# KiCad board Lime_RFE_fab.kicad_pcb (continued)
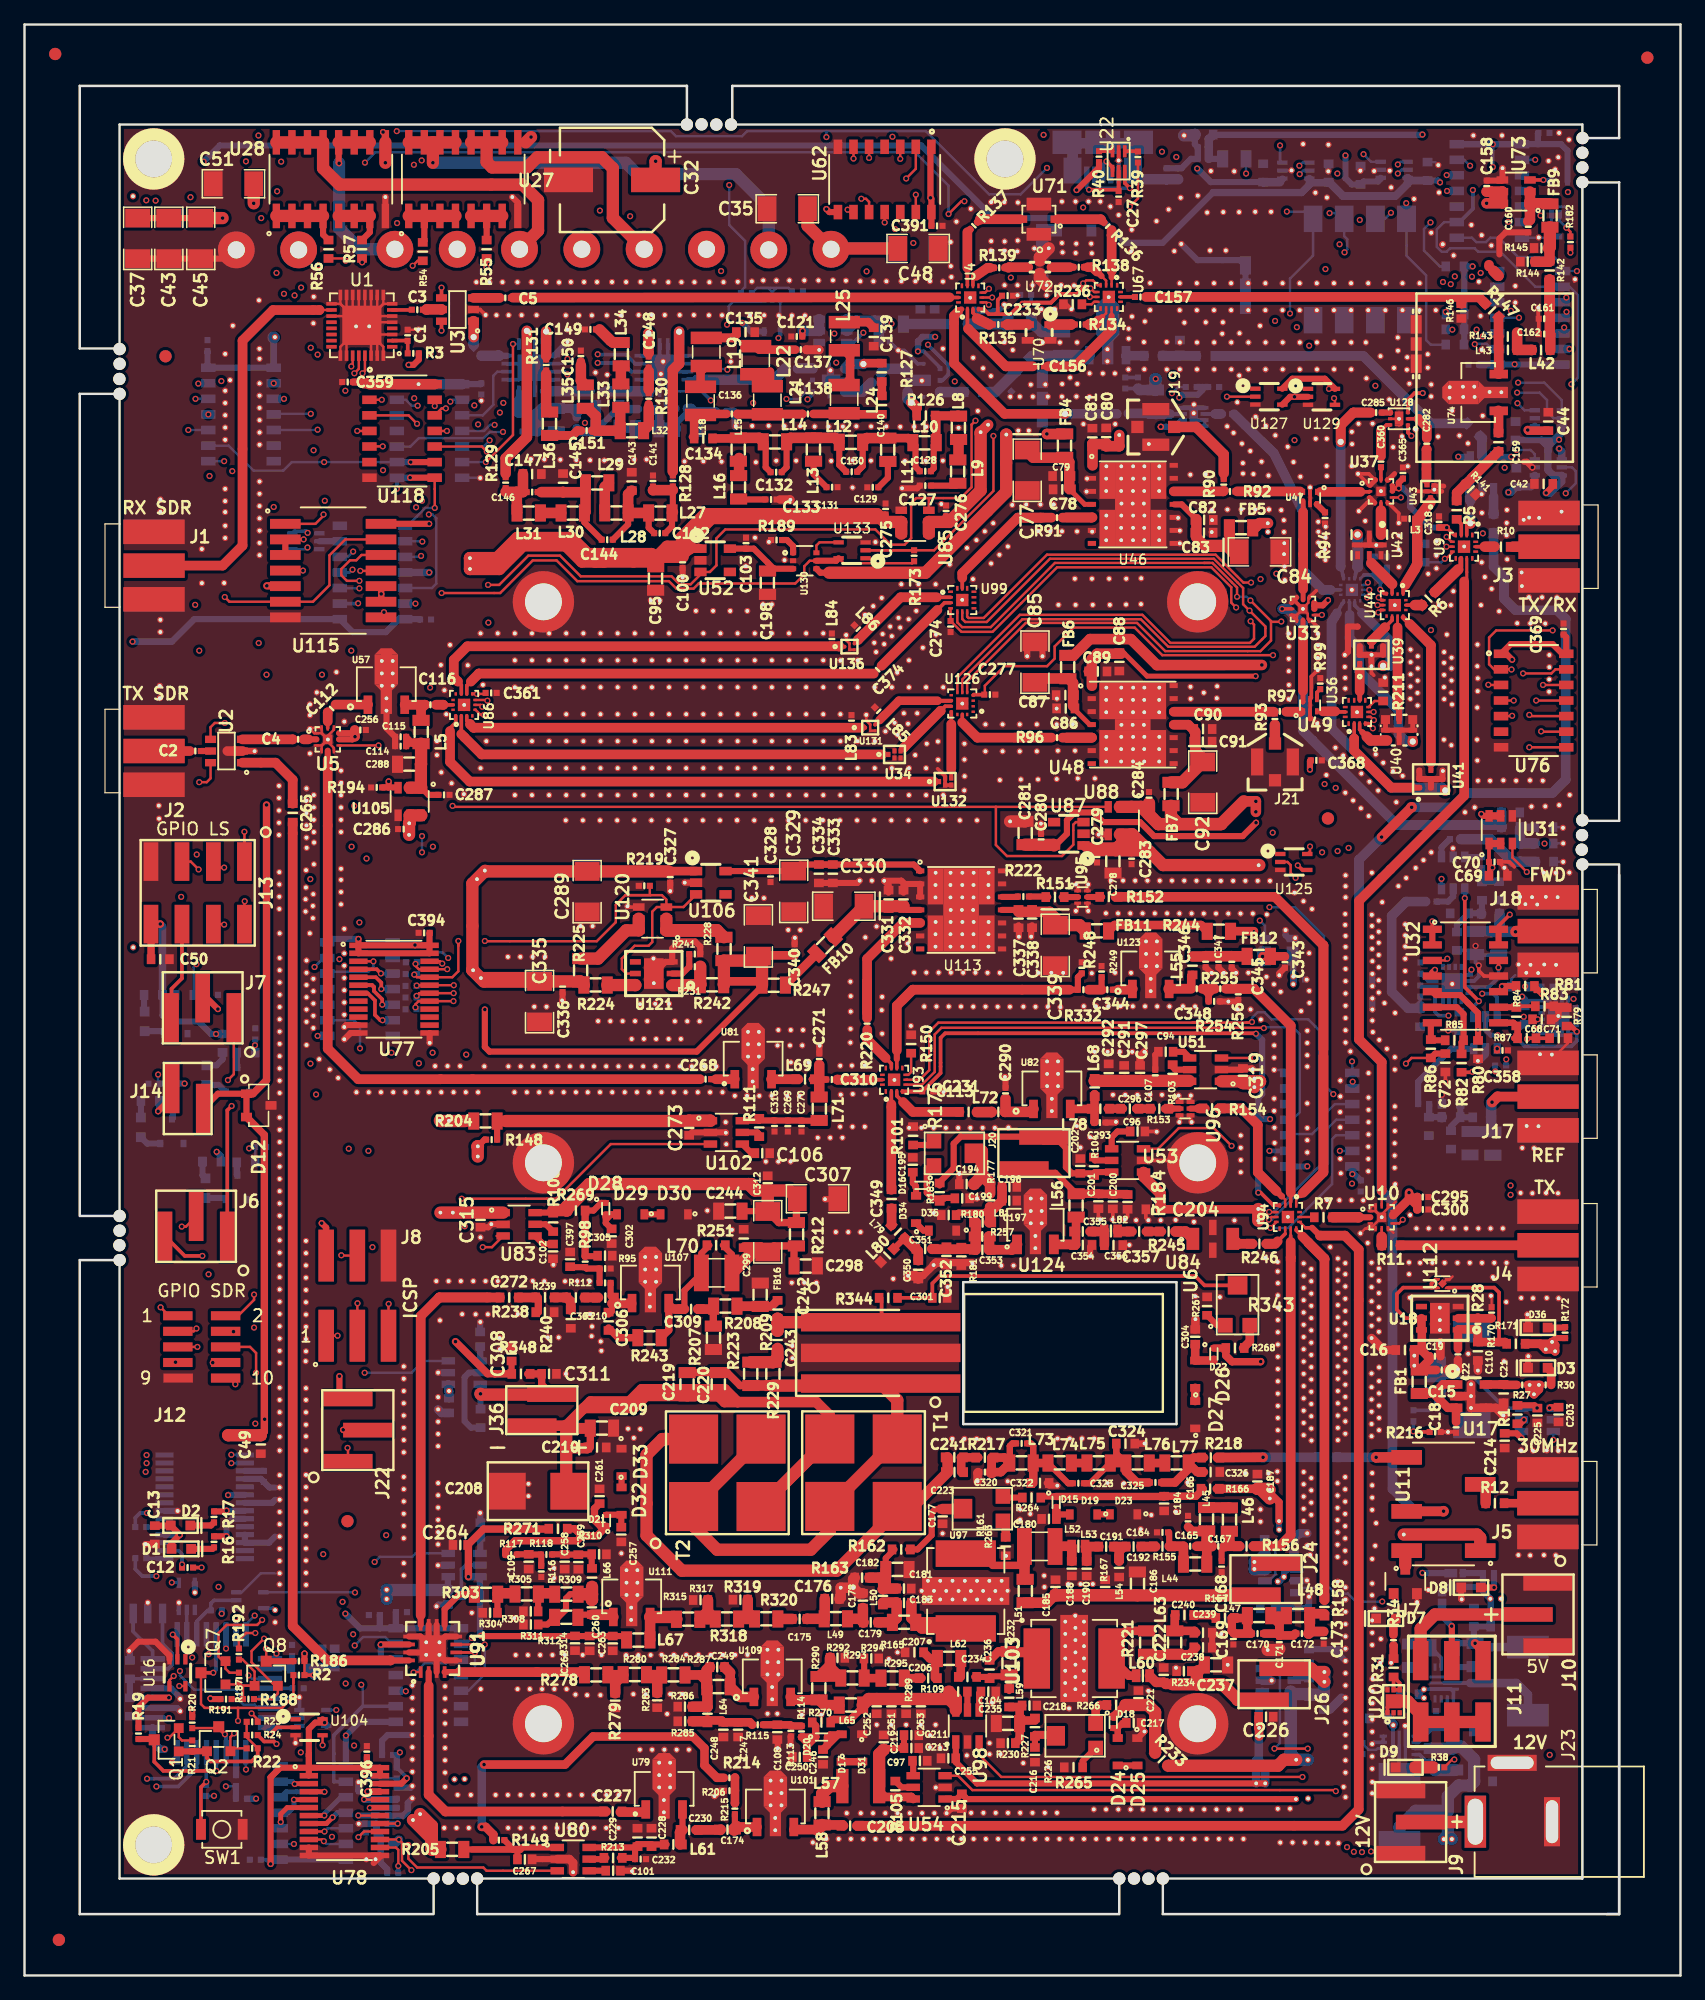
[diagram p0: board, top side]
## Routing (per net, layer and track width the routed paths; a pad name or vN(x,y) marks a point on that pad's centre or on a via; arc(x,y) is an arc through that point) (continued)
Net-(Q7-PadG): length 9
  T w0.2: R187.2 17.65,23.61 Q8.G ; R187.2 17.42,23.72 ; R187.2 17.81,23.45 R188.2 R191.2 ; 17.42,23.72 17.54,23.61 Q8.G ; 17.42,23.72 Q7.G ; Q8.G 18.75,23.6 ; Q8.G 18.75,24.77 17.78,25.75 R192.2
Net-(R1-Pad1): length 0.7
  T w0.5: v1(122.24,45.28) 121.92,44.97 R1.1
Net-(R4-Pad2): length 1.9
  B w0.5: U12.26 17.24,18.19 R4.2
Net-(R5-Pad1): length 1.4
  T w0.3: R5.1 117.13,118.3 U9.3
Net-(R6-Pad1): length 3.5
  T w0.3: 117.09,114.8 116.91,114.69
  T w0.4: 117.09,115.48 117.09,114.8
  T w0.86: 116.88,114.59 114.98,112.75 R6.1
Net-(R7-Pad1): length 3.1
  T w0.5: 108.73,61.79 U10.2
  T w0.86: 108.78,61.79 R7.1
Net-(R9-Pad1): length 2.7
  T w0.2: v1(115.79,115.46) 115.89,115.46 116.4,115.97 U9.7
  B w0.2: v1(115.79,115.46) 115.5,115.17 R9.1
Net-(R10-Pad2): length 1.5
  T w0.3: U9.13 119.04,116.44
  T w0.86: 119.04,116.44 119.83,116.44
Net-(R11-Pad2): length 1.4
  T w0.2: 110.64,59.52 R11.2 ; U10.5 110.64,60.21
  T w0.86: R11.2 110.64,59.52 110.64,60.21
Net-(R12-Pad2): length 1.7
  T w0.86: U11.3 119.12,39.58 R12.2
Net-(R14-Pad2): length 29
  SIG2 w0.3: v1(9.99,37.69) 9.16,36.86 9.16,29.69 9.99,28.86 v1(9.99,16.04)
  B w0.3: v1(9.99,37.69) 9.42,37.69 9.03,37.3 R14.2 ; v1(9.99,16.04) 12.21,16.04 13.23,17.06 U12.31
Net-(R15-Pad2): length 25.2
  SIG2 w0.3: v1(10.75,15.4) v1(10.75,32.55)
  B w0.3: v1(10.75,32.55) 9.61,32.55 9.03,33.12 R15.2 ; U12.30 14.03,16.91 12.53,15.4 v1(10.75,15.4)
Net-(R16-Pad2): length 3.7
  T w0.5: v1(16.46,35.78) 16.46,35.79 R16.2
  B w0.5: v1(16.46,35.78) 16.46,36.74 16.95,37.22 U13.23
Net-(R17-Pad2): length 2.5
  T w0.5: v1(16.46,37.88) 16.41,37.82 R17.2
  B w0.5: v1(16.46,37.88) 16.47,37.87 U13.22
Net-(R25-Pad2): length 3.7
  B w0.3: U19.5 115.49,25.89 R25.2 114.37,27.01 R26.2
Net-(R29-Pad1): length 1.8
  B w0.3: 118.22,25.13 R29.1 ; U19.7 117.02,25.13
  B w0.5: R29.1 118.22,25.13 117.02,25.13
Net-(R31-Pad2): length 2.8
  T w0.3: 112.11,23.83 R31.2 U20.5 U20.4 112.11,23.83
Net-(R32-Pad2): length 3.8
  B w0.3: R32.2 114.76,20.11 113.65,19 U21.5
  B w1: R33.2 116.1,20.4 R32.2
Net-(R36-Pad1): length 5.4
  B w0.3: 114.54,17.18 113.72,18 U21.7 ; 114.98,16.75 R36.1
  B w1: R36.1 114.98,16.75 114.54,17.18
Net-(R39-Pad1): length 1.1
  T w0.3: R39.1 90.75,148.67 U22.1
Net-(R40-Pad1): length 1.1
  T w0.3: U22.3 88.69,148.68 R40.1
Net-(R54-Pad1): length 6
  T w0.5: R54.1 32.59,141.37 U27.2
  T w1: U27.1 U27.2 U27.3 U27.4
Net-(R55-Pad1): length 4.5
  T w0.5: R55.1 U27.6
  T w1: U27.7 U27.6 U27.5
Net-(R56-Pad1): length 6
  T w0.5: R56.1 24.34,141.88 U28.4
  T w1: U28.4 U28.3 U28.2 U28.1
Net-(R57-Pad1): length 4.8
  T w0.5: R57.1 28.15,142.07 U28.7
  T w1: U28.7 U28.6 U28.5
Net-(R80-Pad2): length 23.6
  T w0.2: v1(123.72,79.99) 123.55,80.16 123.1,80.16 ; v1(118.48,77.06) 118.5,77.06 ; v1(118.48,77.06) 118.5,77.06 ; v1(118.48,77.06) 118.5,77.06
  T w0.3: 117.7,79.35 117.65,79.3 117.7,79.35 ; 117.7,79.35 117.7,79.25
  T w0.5: v1(123.72,79.99) 123.09,80.62 R81.1 ; R80.2 118.5,78.44 117.04,79.9 115.05,79.9 U32.5
  SIG1 w0.2: 124.28,77.24 124.28,79.43 v1(123.72,79.99)
  SIG1 w0.3: 124.28,77.24 124.28,79.43 ; 124.28,79.43 v1(123.72,79.99) ; 124.28,79.43 124.28,77.2 123.63,76.55 122.97,76.55 122.43,77.1 121.62,77.1 121.02,77.69 119.12,77.69 v1(118.48,77.06)
Net-(R81-Pad2): length 10.7
  T w0.2: v1(120.44,80.6) 120.17,80.33 U32.10
  T w0.3: v1(121.08,86.46) 120.17,85.55 U32.14
  T w0.5: v1(120.44,80.6) 120.48,80.64 R81.2 ; U32.13 U32.14
  SIG2 w0.5: v1(121.08,86.46) 120.85,86.22 120.85,81.78 120.44,81.38 v1(120.44,80.6)
  B w0.3: v1(121.08,86.46) 121.09,86.46
Net-(R82-Pad1): length 6.1
  T w0.5: U32.6 116.76,78.91 117.32,78.35 R85.2 117.15,76.05 R82.1
Net-(R82-Pad2): length 18.6
  T w0.3: v1(118.04,73.65) 118,73.61 R82.2 ; v1(114.77,85.91) U32.1
  T w0.5: U32.2 U32.1
  SIG2 w0.2: v1(114.77,85.91) 114.24,85.38 114.24,74.49 115.09,73.65 v1(118.04,73.65)
Net-(R83-Pad2): length 5.8
  T w0.2: 122.64,79.03 122.58,78.97 121.56,78.97 121.5,78.91 U32.9
  T w0.3: R83.2 121.42,78.99 121.35,79.05
  T w0.5: R84.1 121.59,78.91 U32.9
Net-(R84-Pad2): length 5.5
  T w0.5: R87.1 121.72,77.32 121.39,77.64 U32.8 121.36,77.64 R84.2 121.72,77.28 R87.1 ; R87.1 121.43,76.39
Net-(R85-Pad1): length 2.6
  T w0.5: U32.7 114.65,77.52 R86.1 114.71,76.22 R85.1
Net-(R88-Pad2): length 9.3
  T w0.5: v1(92.63,126.21) 92.63,126.21
  SIG2 w0.5: v1(94.14,128.6) 92.63,127.09 v1(92.63,126.21)
  B w0.2: 93.6,126.21 94.15,126.76 U45.6
  B w0.5: 93.6,126.21 v1(92.63,126.21) ; v1(94.14,128.6) 94.38,128.84 95.65,128.84 96.03,129.22 96.03,129.46 ; 96.03,129.46 R89.2 R88.2 96.03,129.46
Net-(R90-Pad2): length 4.1
  T w0.79: 97.78,121.01 97.72,120.95 U46.12
Net-(R91-Pad1): length 4.5
  T w0.79: U46.5 87,118.81 R91.1 ; 87.07,118.83 84.95,118.83
Net-(R92-Pad2): length 10.7
  T w0.1: 103.92,120.95 104.13,120.74 ; 98.64,120.95 103.92,120.94
  T w0.79: 98.85,120.95 103.98,120.94
Net-(R93-Pad2): length 8.2
  T w0.79: 93.69,102.99 101.84,102.99
Net-(R94-Pad1): length 1.9
  T w0.3: 105.35,119.9 R94.1
  T w0.5: R94.1 105.35,119.9 U47.6
Net-(R96-Pad1): length 6.5
  T w0.79: R96.1 U48.5 84.96,100.88 87.03,100.88
Net-(R97-Pad2): length 2.6
  T w0.2: R97.2 U49.1
  T w0.79: 102.86,102.99 104.01,102.99
Net-(R99-Pad1): length 1.5
  T w0.2: U49.4 105.43,104.1 105.43,104.56
  T w0.3: R99.1 105.35,104.56 U49.4
Net-(R101-Pad2): length 1.8
  T w0.5: R176.1 73.82,67.68 R101.2
Net-(R102-Pad1): length 4.4
  B w0.2: 101.1,35.34 101.61,35.34 101.98,34.97 101.98,32.68 101.45,32.15 U50.5
Net-(R103-Pad1): length 1.5
  T w0.5: 93.6,74.03 93.8,73.82 U51.5
Net-(R104-Pad1): length 1.5
  T w0.5: 87.19,66.5 87.26,66.43 U53.5
Net-(R105-Pad1): length 1.7
  T w0.5: 72.44,15.34 U54.5 71.5,15.33 R105.1
Net-(R106-Pad1): length 1.3
  B w0.5: R106.1 103.69,24.23 U55.5
Net-(R107-Pad1): length 6.5
  B w0.5: U56.5 36.24,49.13 35.88,48.76 35.88,45.17 36.39,44.65 R107.1
Net-(R108-Pad1): length 1.7
  T w0.5: R108.1 42.5,61.22 U83.5
Net-(R109-Pad1): length 3
  T w0.2: 76.92,23.13 76.87,23.09 U98.5
  T w0.5: U98.5 76.87,21.64 R109.1
Net-(R110-Pad1): length 3.8
  B w0.3: U100.5 35.97,33.45 35.62,33.09 R110.1
Net-(R111-Pad1): length 1.4
  T w0.5: 59.89,68.56 59.75,68.71 U102.5
Net-(R134-Pad1): length 3.7
  T w0.5: R134.1 85.61,134.55 83.64,134.55
  T w0.86: 85.31,134.55 85.31,134.55 83.64,134.55
Net-(R135-Pad2): length 3.6
  T w0.5: R135.2 79.84,134.55 81.79,134.55
  T w0.86: 80.13,134.55 80.14,134.55 81.79,134.55
Net-(R136-Pad1): length 4
  T w0.6: R136.1 87.73,143.13
  T w0.79: 87.77,143.09 87.73,143.13 U71.1
Net-(R137-Pad2): length 3.6
  T w0.6: R137.2 77.92,143.13
  T w0.79: U71.2 77.92,143.13
Net-(R138-Pad1): length 3.2
  T w0.6: R138.1 U72.2
  T w0.79: U72.2 85.19,139.22
Net-(R139-Pad2): length 3.6
  T w0.6: R139.2 79.96,139.22 U72.4
  T w0.79: 80.21,139.17 80.26,139.22 U72.4
Net-(R140-Pad1): length 77
  T w0.2: v1(34.05,82.47) 33.87,82.66 U77.22
  T w0.5: v1(31.16,16.07) 30.72,15.63 U78.22
  SIG1 w0.2: v1(29.91,75.2) v1(33.27,75.2)
  SIG2 w0.2: v1(34.05,82.47) 33.88,82.29 33.88,76.09 33.27,75.48 v1(33.27,75.2) ; v1(29.91,75.2) 29.91,73.71 29.55,73.34 29.55,70.26 29.91,69.9 29.91,56.03 31.06,54.88 31.06,50.97 29.91,49.83 29.91,46.22 30.24,45.89 30.24,25.12 30.6,24.76 v1(30.6,18.18)
  B w0.3: v1(31.16,16.07) 31.16,16.14 R168.2 30.35,17.72 30.1,17.97 R140.1 30.38,17.97 v1(30.6,18.18)
  B w0.5: R168.2 30.35,17.97
Net-(R150-Pad1): length 2.3
  T w0.2: 72.28,75.37 72.28,73.63 72.05,73.4 U93.7
Net-(R151-Pad1): length 1.3
  T w0.5: U95.2 85.85,87.89 84.55,87.89
Net-(R152-Pad2): length 1.2
  T w0.5: 87.85,87.91 87.84,87.89 U95.5
Net-(R153-Pad2): length 2.4
  T w0.3: 92.99,70.64 93,70.65 U96.2
  T w0.5: U96.2 93.47,70.65 93.46,70.64
  T w0.7: 93.46,70.65 93.46,70.64 92.99,70.64
Net-(R154-Pad2): length 1.8
  T w0.3: 96.27,70.66 96.25,70.65 95.7,70.65
  T w0.5: 95.7,70.65 U96.5
  T w0.7: 96.27,70.66 95.72,70.66 95.7,70.65
Net-(R161-Pad1): length 1.4
  T w0.7: R161.1 79.99,36.82 R263.2
Net-(R161-Pad3): length 1.6
  T w0.5: R161.3 79.86,38.95 R264.1
Net-(R170-Pad2): length 2.8
  T w0.7: 118.43,53.56 118.48,53.62 ; R170.2 119.59,53.56 R28.1 118.48,53.56 U18.2
Net-(R175-Pad2): length 5.8
  B w0.2: 60.95,137.18 60.6,137.54 60.04,137.54 ; 60.95,137.18 61.31,137.54 ; 60.95,137.18 U64.2 ; 60.04,137.54 59.73,137.54 R175.2 ; 60.04,137.54 61.31,137.54 ; 61.31,137.54 62.28,137.54 R178.1 62.4,137.26
Net-(R182-Pad2): length 3
  T w0.2: v1(125.7,142.44) 126.03,142.11 R182.2
  B w0.2: R185.1 126.02,142.12 v1(125.7,142.44) 125.14,143 U69.2
Net-(R189-Pad1): length 1.6
  T w0.5: U130.1 62.66,116.5 62.16,116.99 R189.1
Net-(R206-Pad1): length 4.2
  T w0.5: 57.92,16.13 57.91,16.12 R215.2
  T w0.7: 57.92,16.13 57.92,16.12 R206.1 57.92,14.05 R215.2
Net-(R211-Pad1): length 1.4
  T w0.2: U36.7 110.07,103.87 R211.1
Net-(R213-Pad1): length 1.4
  T w0.5: 47.44,9.58 47.34,9.48 U80.5
Net-(R220-Pad1): length 12.7
  T w0.5: 71.62,85.78 71.62,85.77
  T w0.79: 68.7,78.82 68.69,78.81 68.69,78.47 ; 68.69,78.47 R220.1 ; 68.69,78.47 68.69,81.07 ; 68.69,81.07 68.69,82.85 71.62,85.78 U113.5 ; 68.69,81.07 68.69,79.08
Net-(R222-Pad1): length 1.3
  T w0.5: R222.1 80.95,87.9 U113.12
Net-(R224-Pad1): length 4.6
  T w0.7: R224.1 49.76,80.72 49.79,80.68
  T w1: U121.6 49.79,80.72 R224.1
Net-(R225-Pad1): length 6.6
  T w1: R225.1 46.75,82.87 49.06,85.18 U120.6 U120.5
Net-(R226-Pad1): length 2.5
  T w0.5: 87.65,18.21 R226.1 86.26,17.47 R265.2
Net-(R226-Pad3): length 2.2
  T w0.7: R266.1 87.66,22.04 87.32,21.7 R226.3
Net-(R228-Pad2): length 14.1
  T w1: U120.1 56.44,85.18 U120.1 ; U120.1 U120.2 ; U120.1 56.45,85.18 R228.2
Net-(R231-Pad1): length 2.7
  T w0.5: R241.2 R231.1 53.63,81.66 U121.2
Net-(R231-Pad2): length 6.1
  T w0.7: 52.79,80.68 55.03,80.68 R242.1
  T w1: R231.2 55.09,80.76 R242.1 55.05,80.71 U121.1
Net-(R236-Pad1): length 1.6
  T w0.2: R236.1 87,136.2 87.2,136.4 U67.7
  T w0.3: 86.4,136.4 R236.1
Net-(R245-Pad1): length 1.7
  T w0.86: U84.1 94.65,60.63 93.82,60.63
Net-(R246-Pad2): length 2.4
  T w0.79: 100.13,59.63 98.9,59.63
  T w0.86: 98.9,59.63 U84.3 98.9,59.63
Net-(R267-Pad2): length 1.8
  T w0.5: R267.2 97.22,52.99 R343.1
Net-(R268-Pad1): length 2.1
  T w0.7: 99.34,51.13 99.89,51.68 R343.3
Net-(R278-Pad2): length 3
  T w0.79: R278.2 48.8,24.51
  T w0.86: 48.8,24.51 R280.2 48.15,23.86 R279.2
Net-(R280-Pad1): length 2.9
  T w0.79: R280.1 51.92,24.51
  T w0.86: 51.92,24.51 R284.2 51.58,24.13 R283.2
Net-(R290-Pad1): length 5.7
  T w0.86: 66.42,24.37 R293.2 65.67,25.11 R292.2 65.67,25.27 R290.1 66.42,24.37
Net-(R293-Pad1): length 3
  T w0.5: R294.2 68.45,25.82 R293.1
  T w0.7: R295.2 68.46,24.23 R293.1
Net-(R303-Pad2): length 3
  T w0.5: R303.2 38.55,31.05 R304.2
  T w0.86: 39.99,31.15 38.65,31.15 R303.2
Net-(R305-Pad1): length 2.9
  T w0.5: 41.89,31.13 41.9,31.15 41.87,31.12 R308.2
  T w0.86: 41.9,31.15 43.15,31.15 R309.2
Net-(R315-Pad1): length 4.9
  T w0.86: 55.71,29.65 R318.2 56.3,29.03 R315.1 55.71,29.69 R317.2 55.71,29.65
Net-(R318-Pad1): length 3.1
  T w0.86: R318.1 58.23,29.06 R320.2 58.96,29.61 R319.2
Net-(U10-Pad11): length 57.2
  T w0.2: U10.11 110.64,63.95
  T w0.25: 117.37,113.61 117.58,113.82 117.58,115.49
  T w0.79: 117.37,113.61 117.37,96.15 108.79,87.58 108.79,76.3 110.64,74.45 110.64,63.95
Net-(U11-Pad8): length 3
  T w0.3: U11.8 112.57,34.51 U7.1
  T w0.86: 112.57,34.51 U11.8
  T w1: U11.8 112.57,34.51 112.57,33.41
Net-(U12-Pad7): length 6.2
  B w0.3: U12.7 11.71,25 12.02,25.31 12.02,26.26 11.25,27.03 X1.3
Net-(U12-Pad8): length 4.4
  B w0.3: X1.1 8.85,28.03 10.44,26.44 U12.8
Net-(U34-Pad1): length 37
  T w0.3: 69.91,99.51 U34.1 ; U86.2 35.61,101.17
  T w0.79: 35.61,101.17 37.27,99.51 69.91,99.51
Net-(U35-Pad3): length 3.6
  T w0.86: 108.67,117.44 108.67,117.42
  B w0.3: 108.44,113.88 108.51,114.21 108.6,114.53 108.67,114.78
  B w0.86: 108.67,114.79 108.67,114.78 TRANS_VIA#6.1
Net-(U35-Pad9): length 6.9
  T w0.86: 110.75,106.75 TRANS_VIA#5.1
  B w0.3: 108.44,111.92 108.44,111.67 109.03,111.07 109.03,111.04
  B w0.79: 111.33,106.79 111.33,108.74 109.03,111.04
  B w0.86: 111.33,106.79 111.28,106.74 110.75,106.74
Net-(U35-Pad10): length 13.8
  T w0.86: 113.17,100.57 113.17,100.55
  B w0.3: 107.99,111.92 108.02,111.89 108.02,110.89
  B w0.79: 108.02,110.89 108.02,108.97 108.8,108.19 108.8,106.32 112.01,103.11 112.01,101.17 112.62,100.56 TRANS_VIA#3.1
Net-(U35-Pad11): length 21.9
  T w0.86: 115.82,96.59 115.82,96.57
  B w0.3: 107.54,111.92 107.41,111.8 106.99,111.01
  B w0.79: 115.55,96.8 111.39,96.8 106.55,101.64 106.55,110.3 106.99,111.01
  B w0.86: 115.55,96.8 115.77,96.58 TRANS_VIA#4.1
Net-(U36-Pad2): length 14
  T w0.3: 108.4,99.83 U36.2
  T w0.5: 108.4,99.83 111.42,96.8 ; 113.04,96.8 U41.1
  T w0.79: 108.4,100.8 108.39,100.8 108.39,99.83 111.42,96.8 113.04,96.8
Net-(U36-Pad3): length 4.5
  T w0.3: 109.73,100.65 108.85,101.54 U36.3
  T w0.5: 109.73,100.65 109.06,101.32
  T w0.86: 109.42,100.96 109.73,100.65 111.07,100.65
Net-(U36-Pad9): length 3
  T w0.4: U39.1 108.85,106.93 108.85,106.32 ; 108.85,103.97 108.85,104.66
  T w0.79: 108.85,104.66 108.85,106.32
Net-(U37-Pad5): length 2.6
  T w0.3: U37.5 110.58,119.39
  T w0.86: 110.58,119.39 U42.1
Net-(U39-Pad6): length 3.1
  T w0.3: 110.9,109.87 111.49,110.46 111.49,110.68 ; 109.8,108.77 U39.6
  T w0.79: 110.9,109.87 110.9,109.86 109.81,108.77 109.8,108.77
Net-(U40-Pad6): length 12.2
  T w0.2: 111.93,110.63 111.93,109.86 111.94,109.87 U44.10 ; U40.6 112.06,103.34 111.93,103.47 111.97,102.41
  T w0.3: 112.06,103.34 111.93,103.47 112.06,103.34
  T w0.5: 111.93,103.81 112.06,103.68 U40.6
  T w0.79: 111.93,109.86 111.93,103.47
Net-(U41-Pad6): length 15.9
  T w0.4: 114.65,108.42 112.91,110.16 112.39,110.68 ; U41.6 114.65,98.83
  T w0.79: 112.91,110.16 114.65,108.42 114.65,98.83
Net-(U42-Pad6): length 3.9
  T w0.3: 109.79,115.1 109.63,115.26 U42.6 ; 111.49,113.41 111.49,112.64
  T w0.86: 109.79,115.1 111.49,113.41
Net-(U60-Pad13): length 60.7
  T w0.2: v1(71.87,146.45) 72.66,147.24 U62.2
  SIG1 w0.2: v1(70.68,134.62) 67.81,134.62 66.5,133.31 65.21,133.31 63.86,134.65 62.92,134.65 62.35,134.08 56.86,134.08 56.25,134.69 46.96,134.69 44.72,132.46 44.21,132.46 41.83,130.07 40.25,130.07 39.54,130.78 35.5,130.78 32.66,127.94 v1(32.05,127.94)
  SIG2 w0.2: v1(71.87,146.45) 71.7,146.27 71.7,141.83 70.96,141.09 70.96,137.23 70.68,136.95 v1(70.68,134.62)
  B w0.2: v1(32.05,127.94) 31.56,127.94 31.08,128.42 U60.13
Net-(U75-Pad2): length 101.6
  SIG1 w0.2: v1(101.49,87.07) 101.21,87.07 100.35,87.93 84.27,87.93 81.6,85.26 81.6,84.07 80.64,83.1 72.03,83.1 71.09,84.04 61.71,84.04 60.93,84.83 35.17,84.83 34.54,84.2 v1(34.54,82.93) ; v1(107.23,67.2) 106.7,67.74 v1(106.7,71.83)
  B w0.2: v1(106.7,71.83) 105.94,72.59 105.94,84.7 103.57,87.07 v1(101.49,87.07) ; v1(34.54,82.93) 34.08,83.38 30.78,83.38 30.33,82.93 U75.2 ; U90.13 v1(107.23,67.2)
Net-(U75-Pad13): length 70.5
  SIG1 w0.2: v1(23.31,74.32) 23.61,74.01 24.22,74.01 24.55,74.34 v1(32.15,74.34)
  SIG2 w0.2: v1(32.15,74.34) 32.17,74.32 32.17,72.92 32.48,72.61 32.48,70.15 32.17,69.85 32.17,53.08 35.07,50.19 35.07,46.93 34.79,46.66 34.79,29.23 36.47,27.55 v1(36.47,27.5) ; v1(23.31,74.32) 22.45,75.18 22.45,81.86 22.78,82.19 v1(23.64,82.19)
  B w0.2: v1(23.64,82.19) 24.38,82.93 U75.13 ; v1(36.47,27.5) 35.98,27.02 U89.2 36.09,27.02
  B w0.5: U89.2 35.7,27.02
Net-(U89-Pad13): length 25.4
  SIG1 w0.2: v1(22.52,18.18) 26.31,18.18 v1(26.87,18.74)
  SIG2 w0.2: v1(22.52,18.18) 22.52,13.05 21.96,12.49 v1(21.96,10.71) ; v1(26.87,18.74) 26.92,18.79 v1(26.92,26.89)
  B w0.2: v1(21.96,10.71) 21.96,10.72 U92.2 ; v1(26.92,26.89) 27.6,27.58 29.41,27.58 29.96,27.02 U89.13
Net-(U116-Pad13): length 31.3
  SIG1 w0.2: v1(31.92,119.65) 20.34,119.65 v1(20.31,119.68)
  SIG2 w0.2: v1(20.31,129.76) v1(20.31,119.68) ; v1(31.92,119.65) 31.92,117.01 30.75,115.84 30.75,112.92 v1(31.87,111.81)
  B w0.2: U116.13 v1(31.87,111.81)
Net-(U126-Pad10): length 5.6
  T w0.3: 74.69,103.06 75.06,103.44 U126.10 ; 71.71,100.09 U34.4
  T w0.79: 71.71,100.09 71.71,100.1 74.68,103.06 74.69,103.06
Net-(U126-Pad11): length 6.1
  T w0.2: U132.4 75.55,97.59 75.55,98.33
  T w0.3: 75.55,98.33 75.55,98.33 U132.4 ; U126.11 75.55,101.98
  T w0.79: 75.55,98.33 75.55,101.98
Net-(U130-Pad6): length 2.5
  T w0.2: U130.6 64.56,116.54 64.82,116.8 U133.4
Net-(U132-Pad1): length 84.6
  T w0.3: 34.69,101.42 34.69,101.65 35.16,102.11 U86.1 ; 34.69,98.9 36.29,97.3 U132.1
  T w0.79: 74.14,97.3 36.29,97.3 34.69,98.9 34.69,101.42

## Copper pours and planes (outline as drawn; the poured copper is in the pictures)
+5V on PWR: 40.54,92.06 104.86,92.06 104.86,61.3 38.05,61.3 38.05,63.53 35.48,63.53 35.48,89.62 31.3,93.8 31.3,137.55 40.54,137.55
+5V_MCU on PWR: 26.18,7.91 7.77,7.91 7.77,59.15 26.18,59.15
+7.5V on PWR: 31.01,14.77 32.17,13.6 42.26,13.6 42.89,14.23 45.76,14.23 49.9,18.37 82.81,18.37 85.82,15.36 100.63,15.36 103.93,12.06 109.59,12.06 113.68,7.97 108.84,7.97 105.62,11.2 26.92,11.17 26.9,14.89 26.9,60.8 31.01,60.8
+12V on PWR: 37.33,60.41 55.96,60.41 55.96,31.43 108.81,31.43 108.81,23.34 127.02,23.34 127.02,7.89 114.95,7.89 110.25,12.59 104.53,12.59 101.31,15.81 86.38,15.81 83.22,18.97 49.57,18.97 45.73,15.12 42.91,15.12 41.99,14.21 32.5,14.21 31.5,15.21 31.5,18.49 31.49,18.5 31.49,59.9 31.59,59.9 31.59,63.05 37.33,63.05
GND on T: 126.99,117.37 126.89,117.37 126.89,115.36 126.99,115.36 126.99,60.52 126.93,60.5 126.93,58.57 126.99,58.57 126.99,7.82 7.69,7.82 7.69,113.97 7.87,113.97 7.87,115.84 7.69,115.84 7.69,150.87 126.99,150.87
GND on B: 126.99,7.82 7.69,7.82 7.69,150.85 126.99,150.85
GND on GND: 126.96,94.36 127.01,94.36 127.01,7.87 31.38,7.87 31.38,7.87 28.26,7.87 28.26,7.92 7.77,7.92 7.77,150.85 28.26,150.85 28.26,150.86 126.96,150.86
GND on SIG1: 126.98,7.88 7.75,7.88 7.75,8.85 7.77,150.85 126.98,150.85
GND on SIG2: 126.98,7.87 120.05,7.87 7.74,7.92 7.74,150.85 126.98,150.85
GND on PWR: 126.99,150.69 126.97,24.66 109.14,24.66 109.14,32.32 56.66,32.32 56.66,59.61 106.28,59.61 106.28,93.3 41.84,93.3 41.84,137.57 69.11,137.57 69.11,150.85 126.99,150.85
GND on PWR: 30.42,92.91 34.61,88.72 34.54,65.07 30.76,65.07 30.76,61.76 7.74,61.76 7.74,137.57 30.42,137.57
VCOM on PWR: 7.77,138.53 67.84,138.53 67.84,150.78 7.77,150.78

## Text on the board
B.SilkS: Lime microsystems / LimeRFE_v03
